# KiCad board motherboard.kicad_pcb (continued)
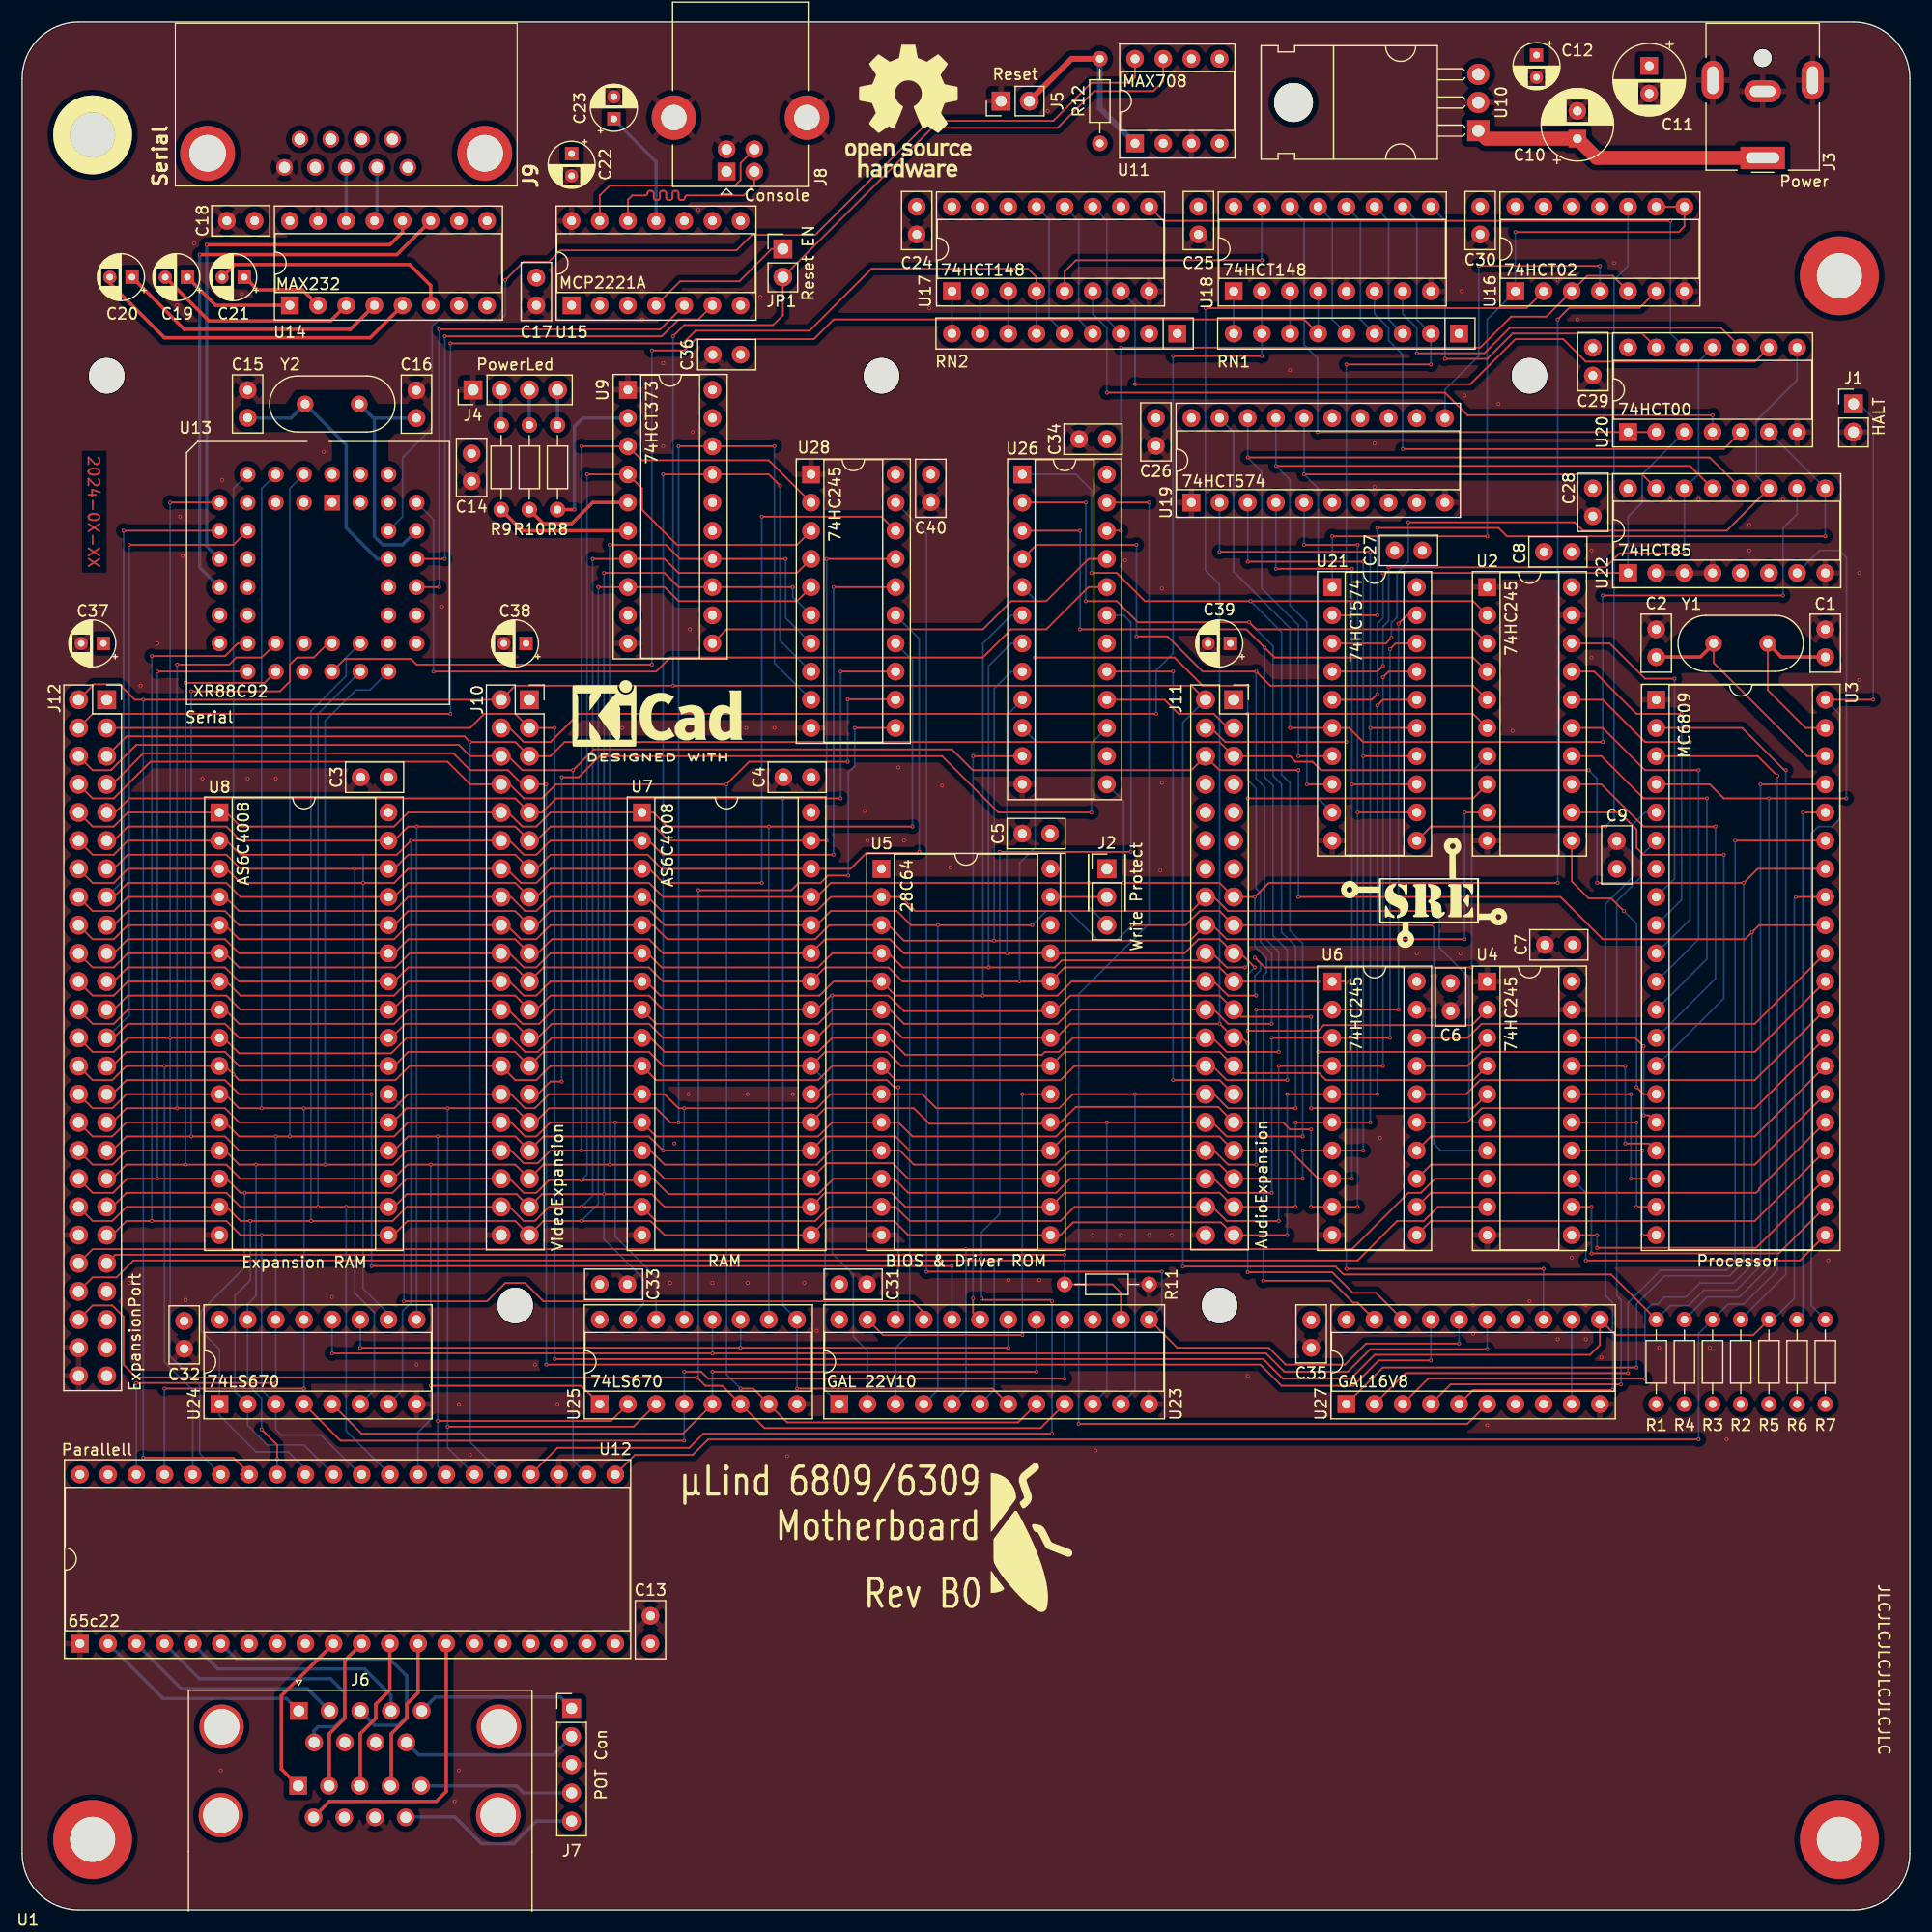
[diagram p0: board, top side]
## Routing (per net, layer and track width the routed paths; a pad name or vN(x,y) marks a point on that pad's centre or on a via; arc(x,y) is an arc through that point) (continued)
/D4: length 366
  Top w0.152: v1(52.45,120.52) 57.91,120.52 59.18,119.25 U9.13 v1(69.47,119.25) ; v1(121.54,106.55) U21.15 ; v1(121.54,70.99) U6.6 v1(114.81,70.99) ; v1(114.81,63.37) J11.37 107.95,64.64 93.98,64.64 U5.16 79.63,63.37 78.36,64.64 72.39,64.64 U7.18 57.91,63.37 56.77,64.52 46.86,64.52 J10.37 44.58,64.52 34.67,64.52 33.53,63.37 U8.18 19.68,63.37 18.41,64.64 9.4,64.64 8.13,63.37 J12.37 ; v1(121.54,122.43) v1(107.95,122.43)
  Bottom w0.152: v1(69.47,119.25) 69.47,118.36 U28.6 ; v1(121.54,122.43) v1(121.54,106.55) v1(121.54,70.99) ; v1(26.67,63.37) 26.67,107.82 U13.26 ; v1(52.45,120.52) v1(52.45,64.52) 52.45,60.45 56.01,56.9 56.01,54.61 U25.15 ; 33.15,39.24 29.21,43.18 v1(29.21,63.37) ; v1(114.81,63.37) v1(114.81,70.99) ; v1(107.95,122.43) U19.2
/D5: length 372
  Top w0.152: v1(120.9,68.45) U6.7 v1(115.44,68.45) ; v1(14.73,110.62) 21.84,110.62 U13.20 ; v1(36.83,47.24) 50.42,47.24 U25.1 ; v1(115.44,65.91) J11.35 107.95,67.18 93.98,67.18 U5.17 79.88,65.91 78.49,67.31 72.52,67.31 U7.19 57.91,65.91 56.64,67.18 46.99,67.18 J10.35 44.45,67.18 34.73,67.18 33.46,65.91 U8.19 19.68,65.91 18.41,67.18 9.4,67.18 8.13,65.91 J12.35 ; v1(68.83,121.79) U9.14 59.31,121.79 58.04,123.06 v1(52.96,123.06) ; v1(120.9,104.01) U21.14 ; v1(120.9,121.54) v1(110.49,121.54)
  Bottom w0.152: v1(52.96,67.18) v1(52.96,123.06) ; v1(115.44,68.45) v1(115.44,65.91) ; v1(110.49,121.54) U19.3 ; U12.28 35.69,43.05 36.83,44.2 v1(36.83,67.18) ; v1(14.73,110.62) v1(14.73,67.18) ; v1(120.9,121.54) v1(120.9,104.01) v1(120.9,68.45) ; U28.7 68.83,116.46 v1(68.83,121.79)
/D6: length 386.2
  Top w0.152: v1(68.33,128.4) 67.31,129.41 U9.17 v1(57.78,129.41) ; v1(119.89,101.47) U21.13 ; U25.2 53.09,44.07 v1(37.46,44.07) ; v1(15.24,109.85) 23.24,109.85 24.13,110.74 24.13,112.27 24.76,112.9 26.29,112.9 27.56,114.17 U13.25 ; v1(119.89,65.91) U6.8 116.84,65.91 114.3,68.45 J11.33 107.95,69.72 93.98,69.72 U5.18 80.01,68.45 78.74,69.72 72.39,69.72 U7.20 v1(57.78,68.45) 56.52,69.72 46.99,69.72 J10.33 44.45,69.72 34.8,69.72 33.53,68.45 U8.20 19.56,68.45 18.29,69.72 9.4,69.72 8.13,68.45 J12.33 ; v1(119.89,120.9) v1(113.03,120.9)
  Bottom w0.152: U12.27 37.46,40 v1(37.46,69.72) ; v1(113.03,120.9) U19.4 ; U28.8 68.33,114.43 v1(68.33,128.4) ; v1(57.78,129.41) v1(57.78,68.45) ; v1(119.89,65.91) v1(119.89,101.47) v1(119.89,120.9) ; v1(15.24,109.85) v1(15.24,69.72)
/D7: length 396.3
  Top w0.152: U25.3 55.12,43.56 v1(38.35,43.56) ; v1(116.2,63.37) U6.9 v1(120.4,63.37) ; v1(120.4,98.93) U21.12 ; v1(59.18,131.95) U9.18 v1(67.82,131.95) ; v1(13.97,112.27) 18.67,112.27 19.3,112.9 21.59,112.9 U13.21 ; v1(120.4,123.06) v1(115.57,123.06) ; v1(116.2,70.36) 114.3,70.36 113.67,70.99 J11.31 107.82,72.39 95,72.39 93.6,70.99 U5.19 92.58,70.87 81.79,70.87 80.39,72.26 72.39,72.26 U7.21 58.42,70.99 57.15,72.26 47.5,72.26 46.23,70.99 J10.31 44.45,72.26 34.67,72.26 33.4,70.99 U8.21 19.56,70.99 18.29,72.26 9.4,72.26 8.13,70.99 J12.31
  Bottom w0.152: U12.26 38.35,41.66 v1(38.35,72.26) ; v1(116.2,63.37) v1(116.2,70.36) ; v1(59.18,70.99) v1(59.18,131.95) ; v1(13.97,112.27) v1(13.97,72.26) ; v1(115.57,123.06) U19.5 ; v1(67.82,131.95) 67.82,112.4 U28.9 ; v1(120.4,63.37) v1(120.4,98.93) v1(120.4,123.06)
/Expansion Ports/BAVAIL: length 179.4
  Top w0.152: v1(47.24,101.47) J10.7 45.08,101.47 43.81,102.74 40.39,102.74 38.86,104.27 10.92,104.27 8.13,101.47 J12.7 ; v1(47.24,49.15) 111.63,49.15 113.54,47.24 120.02,47.24 122.3,49.53 v1(127,49.53)
  Bottom w0.152: v1(127,49.53) U27.17 ; v1(47.24,49.15) v1(47.24,101.47)
/Expansion Ports/E: length 314.1
  Top w0.152: v1(141.99,92.58) v1(155.19,92.58) 156.46,93.85 U3.34 ; v1(145.54,48.9) 122.68,48.9 U27.1 ; v1(141.22,102.74) 117.09,102.74 116.33,103.5 114.81,103.5 114.3,104.01 J11.5 107.95,105.28 48.89,105.28 47.62,104.01 J10.5 44.45,105.28 v1(40.39,105.28) 39.88,105.79 9.4,105.79 J12.5
  Bottom w0.152: v1(141.99,92.58) 141.99,101.98 v1(141.22,102.74) ; v1(155.19,92.58) 155.19,58.42 153.92,57.15 148.08,57.15 145.54,54.61 v1(145.54,48.9) ; v1(40.39,105.28) 40.39,42.16 U12.25
/Expansion Ports/R/~{W}: length 310.3
  Top w0.152: v1(115.06,102.74) 107.95,102.74 J11.6 105.41,102.74 85.7,102.74 83.82,104.62 51.54,104.62 v1(49.66,102.74) 45.08,102.74 43.81,104.01 J10.6 40.39,104.01 39.37,105.03 10.29,105.03 8,102.74 6.35,102.74 J12.6 ; U3.32 156.59,88.77 v1(155.96,88.14) 155.32,87.5 142.49,87.5 138.68,91.31 v1(115.06,91.31) ; v1(146.3,47.88) 126.75,47.88 U27.3
  Bottom w0.152: v1(155.96,88.14) 155.96,58.17 154.31,56.52 151.26,56.52 149.99,55.25 148.08,55.25 147.45,54.61 146.94,54.61 146.3,53.97 v1(146.3,47.88) ; v1(49.66,102.74) 49.66,40.51 U12.22 ; v1(115.06,91.31) v1(115.06,102.74)
/Expansion Ports/~{BREQ}: length 255.2
  Top w0.152: v1(48.01,49.66) 111.89,49.66 113.67,47.88 119.76,47.88 121.92,50.04 141.35,50.04 142.24,50.93 U27.11 143.64,51.82 156.08,51.82 R5.1 ; J12.3 40.39,106.55 41.66,107.82 44.45,107.82 J10.3 v1(48.01,106.55) ; v1(159.89,91.31) U3.33
  Bottom w0.152: v1(159.89,91.31) 159.77,91.19 159.77,55.12 157.86,53.21 R5.1 ; v1(48.01,106.55) v1(48.01,49.66)
/Expansion Ports/~{MAP_EN}: length 97.2
  Top w0.152: v1(93.98,59.06) 8.38,59.06 J12.41 ; R11.1 98.3,56.39 99.06,55.63 U23.14
  Bottom w0.152: v1(93.98,59.06) R11.1
/Expansion Ports/~{RAMX_EN}: length 97.6
  Top w0.152: v1(31.5,73.53) 19.56,73.53 18.29,74.8 9.4,74.8 8.13,73.53 J12.29 ; v1(31.5,58.04) v1(83.82,58.04)
  Bottom w0.152: v1(31.5,58.04) v1(31.5,73.53) ; v1(83.82,58.04) U23.20
/Expansion Ports/~{RD}: length 297.3
  Top w0.152: U27.18 122.05,55.63 119.96,55.63 118.11,57.48 v1(110.49,57.48) ; v1(106.68,144.4) 135.64,144.4 U16.2 ; v1(110.49,78.1) 109.98,78.61 J11.25 v1(107.95,79.88) 94.49,79.88 93.22,78.61 U5.22 79.38,78.61 78.1,79.88 72.9,79.88 71.63,78.61 U7.24 57.78,78.61 56.52,79.88 47.75,79.88 46.48,78.61 J10.25 44.45,79.88 34.54,79.88 33.27,78.61 U8.24 19.56,78.61 18.29,79.88 9.53,79.88 8.25,78.61 J12.25 ; v1(9.65,123.06) 19.05,123.06 U13.10
  Bottom w0.152: v1(107.95,79.88) 107.95,119.51 106.68,120.78 v1(106.68,144.4) ; J12.25 9.65,80.65 v1(9.65,123.06) ; v1(110.49,78.1) v1(110.49,57.48)
/Expansion Ports/~{RST}: length 428.9
  Top w0.152: v1(104.65,57.99) 118.41,57.99 119.13,57.28 143.26,57.28 R1.1 ; U12.34 20.45,39.37 19.05,40.77 v1(10.92,40.77) ; v1(156.72,101.47) U3.37 ; U11.7 102.87,164.85 101.98,163.96 96.65,163.96 93.34,160.66 82.04,160.66 68.59,147.2 JP1.2 68.58,143.76 67.69,142.88 59.69,142.88 v1(58.67,141.86) ; J11.2 105.41,110.36 44.45,110.36 J10.2 v1(10.92,109.09) 10.16,109.09 8.76,110.49 6.48,110.49 J12.2
  Bottom w0.152: v1(58.67,141.86) v1(58.67,110.36) ; J11.2 104.65,107.06 v1(104.65,57.99) ; v1(156.72,101.47) 156.72,58.04 154.56,55.88 151.64,55.88 150.24,54.48 148.59,54.48 R1.1 ; v1(10.92,109.09) v1(10.92,40.77)
/Expansion Ports/~{WR}: length 299.2
  Top w0.152: v1(138.43,92.58) 112.39,92.58 v1(111.12,91.31) J11.15 107.95,92.58 72.9,92.58 71.63,91.31 U7.29 57.78,91.31 56.52,92.58 47.62,92.58 46.35,91.31 J10.15 44.45,92.58 34.8,92.58 33.53,91.31 U8.29 19.68,91.31 18.41,92.58 9.53,92.58 8.25,91.31 J12.15 ; v1(111.89,56.72) 118.01,56.72 119.99,54.74 120.4,54.74 U27.19 ; v1(138.43,143.38) 139.47,144.42 145.82,144.42 U16.6 ; U13.9 v1(9.14,124.33)
  Bottom w0.152: J2.3 96.14,90.42 v1(96.14,92.58) ; v1(111.12,91.31) 111.12,86.87 112.18,85.81 112.18,84.54 111.89,84.25 v1(111.89,56.72) ; v1(9.14,124.33) 9.14,92.84 J12.15 ; U26.13 99.31,99.95 v1(99.31,92.58) ; v1(138.43,92.58) v1(138.43,143.38)
/Power-Management/RST: length 96.2
  Top w0.152: v1(43.56,146.94) 45.21,148.59 47.5,148.59 48.51,149.61 64.39,149.61 65.79,151 71.5,151 81.79,161.29 92.96,161.29 96.39,164.72 99.82,164.72 100.33,165.23 U11.8
  Bottom w0.152: v1(43.56,146.94) 43.56,143.76 43.18,143.38 37.59,143.38 36.96,142.75 36.96,133.6 34.29,130.94 34.29,125.6 U13.38
/Serial-Parallel/D+: length 18.8
  Top w0.152: J8.3 66,158.71 64.77,157.48 64.77,155.96 64.26,155.45 52.96,155.45 52.07,154.56 U15.13
/Serial-Parallel/D-: length 18.8
  Top w0.152: U15.12 54.61,154.18 54.99,154.56 56.17,154.56 arc(56.32,154.62) 56.38,154.77 arc(56.44,154.92) 56.59,154.98 56.73,154.98 arc(56.88,154.92) 56.94,154.77 56.94,154.35 arc(57,154.2) 57.15,154.14 57.29,154.14 arc(57.44,154.2) 57.5,154.35 57.5,154.77 arc(57.56,154.92) 57.71,154.98 57.85,154.98 arc(58,154.92) 58.06,154.77 58.06,154.35 arc(58.12,154.2) 58.27,154.14 58.41,154.14 arc(58.56,154.2) 58.62,154.35 58.62,154.77 arc(58.68,154.92) 58.83,154.98 58.97,154.98 arc(59.12,154.92) 59.18,154.77 59.18,154.35 arc(59.24,154.2) 59.39,154.14 59.53,154.14 arc(59.68,154.2) 59.74,154.35 arc(59.8,154.5) 59.95,154.56 65.02,154.56 66,155.53 J8.2
/~{IRQ_0}: length 123.4
  Top w0.152: RN2.6 115.57,143.38 73.15,143.38 71.37,141.61 60.71,141.61 59.69,140.59 v1(56.77,140.59) ; U13.24 29.08,112.78 35.05,112.78 35.56,112.27 v1(56.77,112.27)
  Bottom w0.152: U18.4 RN2.6 ; v1(56.77,140.59) v1(56.77,112.27)
/~{IRQ_1}: length 3.8
  Bottom w0.152: U18.3 RN2.7
/~{IRQ_2}: length 107.4
  Top w0.152: J10.4 43.94,106.55 45.21,105.28 47.62,105.28 50.16,107.82 v1(102.23,107.82) ; v1(103.76,140.08) v1(111.76,140.08)
  Bottom w0.152: v1(102.23,107.82) 102.23,111.76 103.76,113.28 v1(103.76,140.08) ; U18.2 RN2.8 v1(111.76,140.08)
/~{IRQ_3}: length 3.8
  Bottom w0.152: U18.1 RN2.9
/~{IRQ_4}: length 12.5
  Bottom w0.152: U18.13 118.11,152.27 118.11,143.38 RN2.5
/~{IRQ_5}: length 12.5
  Bottom w0.152: RN2.4 120.65,143.38 120.65,152.27 U18.12
/~{IRQ_6}: length 12.5
  Bottom w0.152: RN2.3 123.19,143.38 123.19,152.27 U18.11
/~{IRQ_7}: length 70.2
  Top w0.152: J11.4 107.19,106.55 108.46,105.28 v1(119.38,105.28) ; v1(119.38,139.32) v1(127,139.32)
  Bottom w0.152: v1(127,139.32) RN2.2 125.73,143.38 125.73,152.27 U18.10 ; v1(119.38,139.32) v1(119.38,105.28)
/~{IRQ_8}: length 128.5
  Top w0.152: v1(38.61,107.82) 6.35,107.82 J12.4 ; v1(38.61,141.22) 59.56,141.22 60.71,142.37 70.99,142.37 76.58,147.95 90.68,147.95 91.44,147.19 U17.4
  Bottom w0.152: U17.4 RN1.6 ; v1(38.61,141.22) v1(38.61,107.82)
/~{IRQ_9}: length 3.8
  Bottom w0.152: U17.3 RN1.7
/~{IRQ_10}: length 3.8
  Bottom w0.152: U17.2 RN1.8
/~{IRQ_11}: length 3.9
  Bottom w0.152: U17.1 83.82,142.24 83.95,142.11
/~{IRQ_12}: length 12.5
  Bottom w0.152: U17.13 92.58,152.4 92.58,143.51 RN1.5
/~{IRQ_13}: length 12.5
  Bottom w0.152: RN1.4 95.25,143.38 95.25,152.27 U17.12
/~{IRQ_14}: length 12.5
  Bottom w0.152: U17.11 97.79,152.27 97.79,143.38 RN1.3
~{RD}': length 7.6
  Bottom w0.152: U27.9 U27.12
Net-(J2-Pin_2): length 5.1
  Top w0.152: J2.2 U5.27
Net-(J4-BA): length 3.2
  Bottom w0.305: J4.4 R8.1
Net-(J4-GA): length 3.2
  Bottom w0.305: J4.3 R10.1
Net-(J4-RA): length 3.2
  Bottom w0.305: J4.2 R9.1
Net-(J7-Pin_1): length 14.4
  Bottom w0.305: J7.1 48.51,19.18 37.26,19.18 J6.5
Net-(J7-Pin_2): length 16
  Bottom w0.305: J7.2 47.88,13.97 35.76,13.97 34.63,15.09
Net-(J7-Pin_4): length 13.8
  Bottom w0.305: J7.4 45.21,10.54 44.58,11.18 J6.15
Net-(J7-Pin_5): length 16.8
  Bottom w0.305: J7.5 46.35,8 44.32,5.97 41.4,5.97 38.99,8.38 34.62,8.38 J6.19
Net-(JP1-A): length 13.5
  Top w0.152: JP1.1 67.57,149.74 64.64,146.81 59.31,146.81 U15.4
Net-(U3-EXTAL): length 21
  Top w0.152: U3.38 160.91,104.01 152.49,112.43 Y1.1
  Top w0.305: Y1.1 152.49,114.14 151.3,112.94 C2.1
Net-(U3-XTAL): length 16.5
  Top w0.152: U3.39 160.78,106.55 157.37,109.97 Y1.2
  Top w0.305: C1.1 158.6,112.94 Y1.2
Net-(U9-O0): length 14.2
  Top w0.305: R8.2 v1(49.78,126.24)
  Bottom w0.305: v1(49.78,126.24) 49.78,133.73 50.55,134.49 U9.2
Net-(U9-O1): length 10.2
  Top w0.305: R10.2 46.99,124.97 49.53,124.97 51.44,126.87 U9.5
Net-(U9-O2): length 12.2
  Top w0.305: U9.6 45.08,124.33 R9.2
Net-(U10-Vin): length 26.7
  Top w1.25: J3.1 141.94,157.95 C10.1 132,159.68 U10.1
Net-(U11-~{MR}): length 16.9
  Top w0.521: J5.2 94.6,166.88 R12.2
  Bottom w0.521: R12.2 97.16,162.43 U11.1
Net-(U12-PA0): length 19.7
  Bottom w0.305: J6.1 23.82,19.05 12.7,19.05 U12.2
Net-(U12-PA1): length 19.9
  Bottom w0.305: U12.3 14.35,19.94 25.7,19.94 J6.2
Net-(U12-PA2): length 24.6
  Bottom w0.305: 12.83,24 16,20.83 27.81,20.83 29.08,19.56 29.08,17.4 28.19,16.51 26.67,16.51 26.29,16.13 26.32,16.09 J6.6
Net-(U12-PA3): length 21.2
  Bottom w0.305: 15.37,24 17.65,21.72 30.86,21.72 33.25,19.33 J6.4
Net-(U12-PA4): length 26.7
  Bottom w0.305: J6.3 31.78,16.64 33.91,16.64 34.67,17.4 34.67,21.08 33.15,22.61 19.3,22.61 U12.6
Net-(U12-PB0): length 15.4
  Top w0.305: J6.11 23.37,12.69 23.37,19.3 U12.10
Net-(U12-PB1): length 14.1
  Top w0.305: U12.11 29.08,22.48 29.08,17.27 27.69,15.88 27.69,11.21 J6.12
Net-(U12-PB2): length 14
  Top w0.305: J6.13 30.48,11.23 30.48,15.88 31.88,17.27 31.88,18.54 33.15,19.81 33.15,24
Net-(U12-PB3): length 13.9
  Top w0.305: U12.13 35.69,19.56 34.67,18.54 34.67,17.27 33.27,15.88 33.27,11.26 J6.14
Net-(U12-PB4): length 26.3
  Top w0.305: J6.16 27.69,9.75 27.69,9.78 37.34,9.78 38.23,10.67 U12.14
Net-(U13-RxA): length 47.9
  Top w0.152: U13.35 v1(38.1,121.79) ; U15.6 60.96,143.38 59.18,143.38 57.66,141.86 v1(38.1,141.86)
  Bottom w0.152: v1(38.1,141.86) v1(38.1,121.79)
Net-(U13-RxB): length 47.9
  Top w0.305: U14.12 34.29,151.26 33.15,150.11 v1(16.64,150.11)
  Bottom w0.305: v1(16.64,150.11) 16.64,122.94 U13.11
Net-(U13-TxA): length 48.3
  Top w0.152: U13.33 v1(37.59,119.25) ; U15.5 57.53,142.49 v1(37.59,142.49)
  Bottom w0.152: v1(37.59,142.49) v1(37.59,119.25)
Net-(U13-TxB): length 52.8
  Top w0.305: v1(16,149.22) 33.78,149.22 U14.11
  Bottom w0.305: v1(16,149.22) 16,121.03 U13.13
Net-(U13-X1/CLK): length 23.4
  Bottom w0.305: 20.34,134.49 24.24,134.49 Y2.2 29.21,132.06 29.21,124.59 32,121.79 U13.36
  Bottom w0.521: C15.1 20.34,134.49
Net-(U13-X2): length 22.8
  Bottom w0.305: U13.37 34.29,123.06 32.51,123.06 31.75,123.82 31.75,134.4 Y2.1 31.66,134.49 C16.1
Net-(U14-C1+): length 10.3
  Top w0.305: C19.1 17.44,144.65 U14.1
Net-(U14-C1-): length 18.5
  Top w0.305: U14.3 27.81,143.26 16.84,143.26 C19.2
Net-(U14-C2+): length 24.7
  Top w0.305: C20.1 14.61,142.49 29.59,142.49 U14.4
Net-(U14-C2-): length 30.2
  Top w0.305: 7.91,146.65 12.83,141.73 31.37,141.73 U14.5
  Bottom w0.305: 7.91,146.65 C20.2
Net-(U14-R1IN): length 4.9
  Bottom w0.305: U14.13 31.99,152.51 J9.2
Net-(U14-T1OUT): length 4.8
  Bottom w0.305: J9.3 U14.14
Net-(U14-VS+): length 7.7
  Top w0.305: 20.07,147.19 21.21,146.05 25.27,146.05 U14.2
Net-(U14-VS-): length 21.8
  Top w0.305: U14.6 36.83,146.43 34.92,148.34 19.17,148.34 C21.2
Net-(U15-VUSB): length 10.8
  Bottom w0.305: C23.1 53.34,161.42 57.15,157.61 U15.11
Net-(U17-EI): length 24.8
  Top w0.152: U17.5 93.98,147.7 95,148.72 v1(111.76,148.72)
  Bottom w0.152: v1(111.76,148.72) U18.15
Net-(U17-S0): length 59.5
  Top w0.152: v1(148.59,152.27) 102.87,152.27 U17.9
  Bottom w0.152: U20.12 148.59,142.11 v1(148.59,152.27)
Net-(U17-S1): length 69.1
  Top w0.152: U20.9 156.21,139.57 140.97,139.57 138.94,141.61 134.62,141.61 130.56,137.54 v1(100.33,137.54)
  Bottom w0.152: U17.7 100.33,144.65 v1(100.33,137.54)
Net-(U17-S2): length 66.6
  Top w0.152: v1(152.4,134.75) 130.3,134.75 128.27,136.78 v1(97.79,136.78)
  Bottom w0.152: v1(97.79,136.78) 97.79,142.62 96.52,143.89 U17.6 ; v1(152.4,134.75) U20.4
Net-(U18-GS): length 51.9
  Top w0.152: v1(116.79,133.22) U20.1 U20.2
  Bottom w0.152: U18.14 115.57,152.27 115.57,141.1 116.79,139.88 v1(116.79,133.22)
Net-(U18-S0): length 34.8
  Top w0.152: v1(128.27,139.83) 132.08,139.83 134.37,142.11 146.05,142.11 U20.13
  Bottom w0.152: v1(128.27,139.83) 128.27,152.27 U18.9
Net-(U18-S1): length 37
  Top w0.152: v1(125.73,140.33) 131.83,140.33 134.11,142.62 153.16,142.62 U20.10
  Bottom w0.152: U18.7 124.46,143.89 125.73,142.62 v1(125.73,140.33)
Net-(U18-S2): length 46.4
  Top w0.152: v1(124.46,131.7) 153.42,131.7 U20.5
  Bottom w0.152: U18.6 121.92,143.89 123.19,142.62 123.19,141.48 124.46,140.21 v1(124.46,131.7)
Net-(U19-Cp): length 28.2
  Top w0.152: v1(142.24,148.21) v1(131.32,148.21)
  Bottom w0.152: U16.4 v1(142.24,148.21) ; U19.11 128.27,137.03 131.32,140.08 v1(131.32,148.21)
Net-(U19-Q0): length 98.9
  Top w0.152: v1(114.3,106.55) U21.6 119.63,106.55 120.9,105.28 v1(142.49,105.28) ; v1(142.49,118.49) v1(158.75,118.49)
  Bottom w0.152: v1(114.3,106.55) 114.3,115.57 109.22,120.65 109.22,133.22 U19.19 ; v1(158.75,118.49) 158.75,124.59 160.02,125.86 U22.10 ; v1(142.49,105.28) v1(142.49,118.49)
Net-(U19-Q1): length 81
  Top w0.152: v1(110.49,130.94) 152.15,130.94 U22.12 ; U21.7 v1(115.06,104.01)
  Bottom w0.152: U19.18 v1(110.49,130.94) 111.76,129.67 111.76,119.13 115.06,115.82 v1(115.06,104.01)
Net-(U19-Q2): length 76.7
  Top w0.152: v1(115.82,101.47) U21.8 ; U22.13 150.37,130.18 v1(113.03,130.18)
  Bottom w0.152: U19.17 v1(113.03,130.18) 114.3,128.91 114.3,117.6 115.82,116.08 v1(115.82,101.47)
Net-(U19-Q3): length 68.9
  Top w0.152: v1(115.57,129.41) 146.05,129.41 U22.15
  Bottom w0.152: U21.9 116.84,100.2 116.84,128.14 v1(115.57,129.41) U19.16
Net-(U21-Cp): length 74.3
  Top w0.152: U21.11 127,97.66 v1(142.75,97.66)
  Bottom w0.152: v1(142.75,97.66) 143.51,98.43 143.51,146.94 144.78,148.21 U16.10
Net-(U21-D0): length 64.1
  Top w0.152: v1(122.17,124.59) 133.1,124.59 133.86,123.82 v1(162.56,123.82) ; U21.2 v1(122.17,116.71)
  Bottom w0.152: U20.6 U22.9 v1(162.56,123.82) ; v1(122.17,116.71) v1(122.17,124.59)
Net-(U21-D1): length 65.7
  Top w0.152: v1(124.97,125.09) 139.95,125.09 140.72,124.33 153.67,124.33 U22.11 ; U21.3 122.94,114.17 v1(123.44,114.68)
  Bottom w0.152: v1(123.44,114.68) 123.44,116.03 123.95,116.54 123.95,120.52 124.97,121.54 v1(124.97,125.09) ; U20.8 160.02,137.92 156.34,134.24 156.34,129.29 U22.11
Net-(U21-D2): length 60.7
  Top w0.152: v1(122.68,112.14) 122.17,111.63 U21.4 ; v1(123.19,121.03) 142.75,121.03 144.02,122.3 v1(149.86,122.3)
  Bottom w0.152: U20.11 151.13,139.57 151.13,129.41 U22.14 v1(149.86,122.3) ; v1(122.68,112.14) 122.68,115.7 123.19,116.21 v1(123.19,121.03)
Net-(U21-D3): length 52.3
  Top w0.152: U21.5 121.67,109.09 v1(122.17,109.6) ; v1(122.68,120.52) U22.1
  Bottom w0.152: U22.1 144.78,125.6 146.05,126.87 146.05,129.41 U20.3 ; v1(122.68,120.52) 122.68,116.46 122.17,115.95 v1(122.17,109.6)
Net-(U21-OE): length 66.8
  Top w0.152: U16.9 U16.8 149.86,151.76 149.35,151.26 v1(134.62,151.26) ; v1(118.11,123.82) v1(132.08,123.82)
  Bottom w0.152: v1(134.62,151.26) U16.1 132.08,143.38 v1(132.08,123.82) ; U21.1 v1(118.11,123.82)

## Copper pours and planes (outline as drawn; the poured copper is in the pictures)
GND on Top, Bottom, In2.Cu: -1.27,171.32 -1.27,-1.4 171.45,-1.4 171.45,171.32
VCC on In1.Cu: -1.91,171.96 -1.91,-2.03 172.09,-2.03 172.09,171.96

## Text on the board
B.Silkscreen: For / Linus & Love
Top: 2024-0X-XX
F.Silkscreen: Serial | Expansion RAM | RAM | BIOS & Driver ROM | Processor | Parallell | JLCJLCJLCJLCJLCJLC | Rev B0 | µLind 6809/6309 / Motherboard
